# Allegro board 1119394-C028P02-36-DE2-C01_pcb.brd (continued)
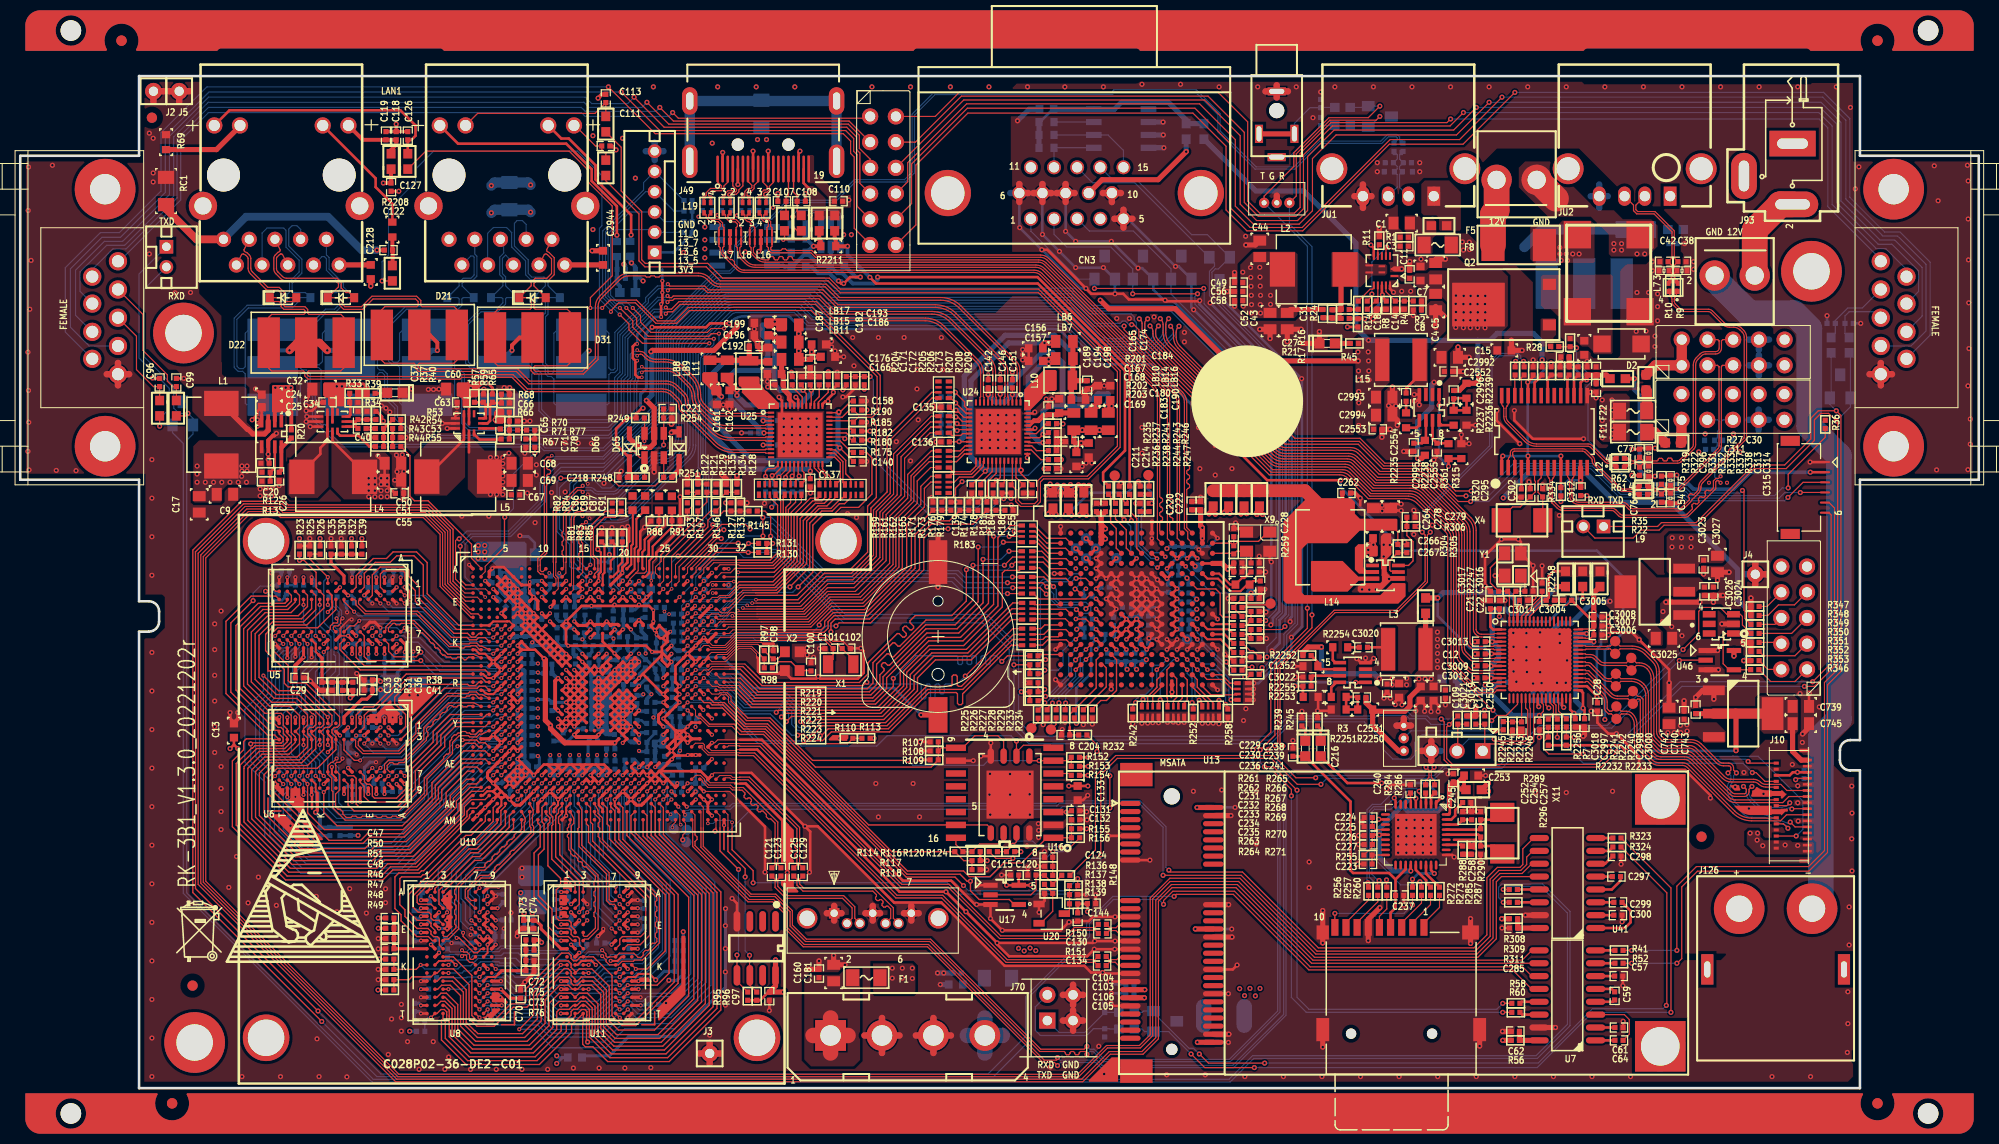
[diagram p0: board, top side]
## Footprints (pads in the part's own frame, mm; a bottom-side part is the same pattern mirrored in y, then rotated) (continued)
CN_SATA_HOST
  round 2.032 hole 1.524: (-10.29,0.5) (2.67,0.5)
  rect 1.041x1.041 hole 0.737: 1(0,0)
  round 1.041 hole 0.737: 2(-1.27,1) 3(-2.54,1) 4(-3.81,0) 5(-5.08,1) 6(-6.35,1) 7(-7.62,0)
CON1X2PD2
  rect 1.35x1.35 hole 0.85: 1(0,0)
  round 1.35 hole 0.85: 2(2,0)
CON1X3P_2_54MM
  rect 1.524x1.524 hole 1.016: 1(-2.54,0)
  round 1.524 hole 1.016: 2(0,0) 3(2.54,0)
CON1X3PD1_25
  round 1.016 hole 0.508: 1(0,0) 2(1.25,0) 3(2.5,0)
CON1X6PD2
  rect 1.35x1.35 hole 0.85: 1(0,0)
  round 1.35 hole 0.85: 2(2,0) 3(4,0) 4(6,0) 5(8,0) 6(10,0)
CON2X2P-254MM
  rect 1.6x1.6 hole 0.94: 1(0,0)
  round 1.6 hole 0.94: 2(0,2.54) 3(2.54,0) 4(2.54,2.54)
CON2X5PD254
  round 1.6 hole 1: 1(-5.08,-1.27) 2(-5.08,1.27) 3(-2.54,-1.27) 4(-2.54,1.27) 5(0,-1.27) 6(0,1.27) 7(2.54,-1.27) 8(2.54,1.27) 9(5.08,-1.27) 10(5.08,1.27)
CON2X6
  round 1.6 hole 1: 1(-5.08,-1.27) 2(-5.08,1.27) 3(-2.54,-1.27) 4(-2.54,1.27) 5(0,-1.27) 6(0,1.27) 7(2.54,-1.27) 8(2.54,1.27) 9(5.08,-1.27) 10(5.08,1.27) 11(7.62,-1.27) 12(7.62,1.27)
CON_DIP_PJ2010B
  round 1.5 hole 1.5 unplated: (0,0)
  rect 1.8x0.8 hole 1.5x0.5: 1(2.3,-1.75) 3(2.3,1.75)
  rect 0.8x1.8 hole 0.5x1.5: 2(4.6,0) 6(-1.9,0)
CR1220
  rect 3.52x1.87 smd: 1(7.75,0)
  rect 4.32x1.82 smd: 2(-7.35,0)
CRY_3225
  rect 1.4x1.15 smd: 1(1.1,0.8) 2(-1.1,0.8) 3(-1.1,-0.8) 4(1.1,-0.8)
D-PACK
  rect 1.1x1.3 smd: 1(-2,-7) 3(2,-7)
  rect 4.32x5.21 smd: 2(0,0)
DB15-3RF-A
  round 1.372 hole 1.016: 1(0,0) 2(-2.286,0) 3(-4.572,0) 4(-6.858,0) 5(-9.144,0) 6(1.143,-2.54) 7(-1.143,-2.54) 8(-3.429,-2.54) 9(-5.715,-2.54) 10(-8.001,-2.54) 11(0,-5.08) 12(-2.286,-5.08) 13(-4.572,-5.08) 14(-6.858,-5.08) 15(-9.144,-5.08)
  round 4.572 hole 3.302: 16(-16.789,-2.54) 17(8.204,-2.54)
DSUB9_FEMALE_90
  round 1.8 hole 1.2: 1(-5.58,-8.89) 2(-2.79,-8.89) 3(0,-8.89) 4(2.79,-8.89) 5(5.58,-8.89) 6(-4.06,-6.35) 7(-1.395,-6.35) 8(1.395,-6.35) 9(4.06,-6.35)
  round 6 hole 3: 10(-12.7,-7.62) 11(12.7,-7.62)
FPC6HH17
  rect 1x1.9 smd: (-4.6,0) (4.6,0)
  oval 0.2x1 smd: 1(2.5,-3.43) 2(1.5,-3.43) 3(0.5,-3.43) 4(-0.5,-3.43) 5(-1.5,-3.43) 6(-2.5,-3.43)
FXRH-SM1-GAN-31
  rect 0.254x0.889 smd: 1(0.95,0.1) 3(1.55,0.1) 5(2.15,0.1) 7(2.75,0.1) 9(3.35,0.1) 11(3.95,0.1) 13(4.55,0.1) 15(5.15,0.1) 17(5.75,0.1) 19(6.35,0.1) 21(6.95,0.1) 23(7.55,0.1) 25(8.15,0.1) 27(8.75,0.1) 29(9.35,0.1) 31(9.95,0.1)
  rect 0.3x0.5 smd: 2(1.25,3.165) 4(1.85,3.165) 6(2.45,3.165) 8(3.05,3.165) 10(3.65,3.165) 12(4.25,3.165) 14(4.85,3.165) 16(5.45,3.165) 18(6.05,3.165) 20(6.65,3.165) 22(7.25,3.165) 24(7.85,3.165) 26(8.45,3.165) 28(9.05,3.165) 30(9.65,3.165)
  rect 0.35x1 smd: 32(10.9,0.37) 33(0,0.37)
HSL1008
  rect 0.94x1.905 smd: 1(-1.029,0) 2(1.029,0)
HSOD323A
  rect 1.118x0.508 smd: 1(1.372,0) 2(-1.372,0)
HSX2-0302
  rect 1.016x1.778 smd: 1(-1.25,0) 2(1.25,0)
HSX4-0302B
  rect 1.067x0.965 smd: 1(-0.927,-0.727) 2(0.927,-0.727) 3(0.927,0.727) 4(-0.927,0.727)
ID-BOARD
  round 1.016 smd: 1(0,0)
LB0603
  rect 0.94x0.889 smd: 1(-0.762,0) 2(0.762,0)
LED0603
  rect 1x1 smd: A(0.762,0) C(-0.762,0)
LT8918_QFN64_EPAD
  oval 1x0.2 smd: 1(-3.8,3) 2(-3.8,2.6) 3(-3.8,2.2) 4(-3.8,1.8) 5(-3.8,1.4) 6(-3.8,1) 7(-3.8,0.6) 8(-3.8,0.2) 9(-3.8,-0.2) 10(-3.8,-0.6) 11(-3.8,-1) 12(-3.8,-1.4) 13(-3.8,-1.8) 14(-3.8,-2.2) 15(-3.8,-2.6) 16(-3.8,-3) 33(3.8,-3) 34(3.8,-2.6) 35(3.8,-2.2) 36(3.8,-1.8) 37(3.8,-1.4) 38(3.8,-1) 39(3.8,-0.6) 40(3.8,-0.2) 41(3.8,0.2) 42(3.8,0.6) 43(3.8,1) 44(3.8,1.4) 45(3.8,1.8) 46(3.8,2.2) 47(3.8,2.6) 48(3.8,3)
  oval 0.2x1 smd: 17(-3,-3.8) 18(-2.6,-3.8) 19(-2.2,-3.8) 20(-1.8,-3.8) 21(-1.4,-3.8) 22(-1,-3.8) 23(-0.6,-3.8) 24(-0.2,-3.8) 25(0.2,-3.8) 26(0.6,-3.8) 27(1,-3.8) 28(1.4,-3.8) 29(1.8,-3.8) 30(2.2,-3.8) 31(2.6,-3.8) 32(3,-3.8) 49(3,3.8) 50(2.6,3.8) 51(2.2,3.8) 52(1.8,3.8) 53(1.4,3.8) 54(1,3.8) 55(0.6,3.8) 56(0.2,3.8) 57(-0.2,3.8) 58(-0.6,3.8) 59(-1,3.8) 60(-1.4,3.8) 61(-1.8,3.8) 62(-2.2,3.8) 63(-2.6,3.8) 64(-3,3.8)
  rect 6x6 smd: 65(0,0)
MARK
  round 1.016 smd: 1(0,0)
MINIPCIE-HT
  round 1.6 hole 1.6 unplated: (-12.5,0)
  round 1.118 hole 1.118 unplated: (12.5,0)
  oval 0.508x2.032 smd: 1(-11.8,-4.1) 2(-11.4,4.1) 3(-11,-4.1) 4(-10.6,4.1) 5(-10.2,-4.1) 6(-9.8,4.1) 7(-9.4,-4.1) 8(-9,4.1) 9(-8.6,-4.1) 10(-8.2,4.1) 11(-7.8,-4.1) 12(-7.4,4.1) 13(-7,-4.1) 14(-6.6,4.1) 15(-6.2,-4.1) 16(-5.8,4.1) 17(-2.2,-4.1) 18(-1.8,4.1) 19(-1.4,-4.1) 20(-1,4.1) 21(-0.6,-4.1) 22(-0.2,4.1) 23(0.2,-4.1) 24(0.6,4.1) 25(1,-4.1) 26(1.4,4.1) 27(1.8,-4.1) 28(2.2,4.1) 29(2.6,-4.1) 30(3,4.1) 31(3.4,-4.1) 32(3.8,4.1) 33(4.2,-4.1) 34(4.6,4.1) 35(5,-4.1) 36(5.4,4.1) 37(5.8,-4.1) 38(6.2,4.1) 39(6.6,-4.1) 40(7,4.1) 41(7.4,-4.1) 42(7.8,4.1) 43(8.2,-4.1) 44(8.6,4.1) 45(9,-4.1) 46(9.4,4.1) 47(9.8,-4.1) 48(10.2,4.1) 49(10.6,-4.1) 50(11,4.1) 51(11.4,-4.1) 52(11.8,4.1)
  rect 5x5 hole 3.81: H3(-12.2,48.25) H4(12.2,48.25)
  rect 2.311x3.2 smd: P1(-14.65,-3.5) P2(14.65,-3.5)
MLF48A-040-0606L
  rect 0.203x0.61 smd: 1(-2.2,-2.879) 2(-1.8,-2.879) 3(-1.4,-2.879) 4(-1,-2.879) 5(-0.6,-2.879) 6(-0.2,-2.879) 7(0.2,-2.879) 8(0.6,-2.879) 9(1,-2.879) 10(1.4,-2.879) 11(1.8,-2.879) 12(2.2,-2.879) 25(2.2,2.879) 26(1.8,2.879) 27(1.4,2.879) 28(1,2.879) 29(0.6,2.879) 30(0.2,2.879) 31(-0.2,2.879) 32(-0.6,2.879) 33(-1,2.879) 34(-1.4,2.879) 35(-1.8,2.879) 36(-2.2,2.879)
  rect 0.61x0.203 smd: 13(2.879,-2.2) 14(2.879,-1.8) 15(2.879,-1.4) 16(2.879,-1) 17(2.879,-0.6) 18(2.879,-0.2) 19(2.879,0.2) 20(2.879,0.6) 21(2.879,1) 22(2.879,1.4) 23(2.879,1.8) 24(2.879,2.2) 37(-2.879,2.2) 38(-2.879,1.8) 39(-2.879,1.4) 40(-2.879,1) 41(-2.879,0.6) 42(-2.879,0.2) 43(-2.879,-0.2) 44(-2.879,-0.6) 45(-2.879,-1) 46(-2.879,-1.4) 47(-2.879,-1.8) 48(-2.879,-2.2)
  rect 4.445x4.445 smd: 49(0,0)
MOLEX_47151
  round 1.219 hole 1.219 unplated: (-2.5,2.096) (2.5,2.096)
  oval 0.254x2.667 smd: 1(4.5,4.508) 2(4,4.508) 3(3.5,4.508) 4(3,4.508) 5(2.5,4.508) 6(2,4.508) 7(1.5,4.508) 8(1,4.508) 9(0.5,4.508) 10(0,4.508) 11(-0.5,4.508) 12(-1,4.508) 13(-1.5,4.508) 14(-2,4.508) 15(-2.5,4.508) 16(-3,4.508) 17(-3.5,4.508) 18(-4,4.508) 19(-4.5,4.508)
  oval 1.524x3.302 hole 0.711x2.718: 20(-7.25,3.746) 21(7.25,3.746)
  oval 1.524x2.718 hole 0.711x1.702: 22(-7.25,-2.214) 23(7.25,-2.214)
PWC0103-M-C
  rect 2.54x4.572 hole 1.016x3.048: 1(0,0)
  oval 2.54x5.08 hole 1.016x3.429: 2(-6,0)
  oval 4.572x2.54 hole 3.048x1.016: 3(-3.2,4.8)
QFN12-050-0302A
  rect 0.7x0.25 smd: 1(-0.95,0.5) 2(-0.95,0) 3(-0.95,-0.5) 7(0.95,-0.5) 8(0.95,0) 9(0.95,0.5)
  rect 0.25x0.9 smd: 4(-0.5,-1.35) 5(0,-1.35) 6(0.5,-1.35) 10(0.5,1.35) 11(0,1.35) 12(-0.5,1.35)
  rect 0.4x0.25 smd: 13(0,0)
QFN16-8765
  rect 0.762x0.203 smd: 1(-1.25,0.525) 2(-1.25,-0.175) 8(1.25,-0.525) 9(1.25,0.175)
  rect 0.203x0.762 smd: 3(-0.8,-1.45) 4(-0.4,-1.45) 5(0,-1.45) 6(0.4,-1.45) 7(0.8,-1.45) 10(0.8,1.45) 11(0.4,1.45) 12(0,1.45) 13(-0.4,1.45) 14(-0.8,1.45)
  rect 0.66x0.203 smd: 15(0,0.165) 16(0,-0.435)
QFN36G
  oval 0.889x0.254 smd: 1(-3,2) 2(-3,1.5) 3(-3,1) 4(-3,0.5) 5(-3,0) 6(-3,-0.5) 7(-3,-1) 8(-3,-1.5) 9(-3,-2) 19(3,-2) 20(3,-1.5) 21(3,-1) 22(3,-0.5) 23(3,0) 24(3,0.5) 25(3,1) 26(3,1.5) 27(3,2)
  oval 0.254x0.889 smd: 10(-2,-3) 11(-1.5,-3) 12(-1,-3) 13(-0.5,-3) 14(0,-3) 15(0.5,-3) 16(1,-3) 17(1.5,-3) 18(2,-3) 28(2,3) 29(1.5,3) 30(1,3) 31(0.5,3) 32(0,3) 33(-0.5,3) 34(-1,3) 35(-1.5,3) 36(-2,3)
  rect 4.1x4.1 smd: 37(0,0)
RPAK8-10X25-28V
  rect 0.406x0.635 smd: 1(-0.823,-0.521) 4(0.823,-0.521) 5(0.823,0.521) 8(-0.823,0.521)
  rect 0.254x0.635 smd: 2(-0.249,-0.521) 3(0.249,-0.521) 6(0.249,0.521) 7(-0.249,0.521)
SC0402
  rect 0.508x0.508 smd: 1(-0.406,0) 2(0.406,0)
SC0603
  rect 0.762x0.813 smd: 1(-0.699,0) 2(0.699,0)
SC0805
  rect 0.991x1.27 smd: 1(-0.813,0) 2(0.813,0)
SD1710A
  rect 1.727x1.676 smd: 1(-1.93,0) 2(1.93,0)
SF1206
  rect 1.295x1.651 smd: 1(-1.346,0) 2(1.346,0)
SF1812
  oval 1.524x3.353 smd: 1(-2,0) 2(2,0)
SF6127
  rect 2.286x3.175 smd: 1(-2.54,0) 2(2.54,0)
SIP-1P
  round 1.651 hole 0.914: 1(0,0)
SIP-4P-200
  rect 3.048x3.048 hole 2.032: 1(-7.62,0.127)
  round 3.048 hole 2.032: 2(-2.54,0.127) 3(2.54,0.127) 4(7.62,0.127)
SL4-1210-AAA
  rect 0.533x0.356 smd: 1(-0.513,-0.325) 2(0.513,-0.325) 3(0.513,0.325) 4(-0.513,0.325)
SL0402
  rect 0.483x0.508 smd: 1(-0.394,0) 2(0.394,0)
SL0603
  rect 0.94x0.889 smd: 1(-0.762,0) 2(0.762,0)
SL0805
  rect 0.94x1.27 smd: 1(-0.851,0) 2(0.851,0)
SLP2710P8
  rect 0.2x0.675 smd: 1(-1.1,-0.437) 2(-0.6,-0.437) 3(0.6,-0.437) 4(1.1,-0.437) 5(1.1,0.437) 6(0.6,0.437) 7(-0.6,0.437) 8(-1.1,0.437)
  rect 0.4x0.675 smd: 9(0,-0.437) 10(0,0.437)
SO8
  oval 2.032x0.66 smd: 1(-2.667,1.905) 2(-2.667,0.635) 3(-2.667,-0.635) 4(-2.667,-1.905) 5(2.667,-1.905) 6(2.667,-0.635) 7(2.667,0.635) 8(2.667,1.905)
SOD323-12
  rect 0.787x0.889 smd: 1(-1.308,0) 2(1.308,0)
SOP8
  rect 1.55x0.6 smd: 1(-2.7,1.905) 2(-2.7,0.635) 3(-2.7,-0.635) 4(-2.7,-1.905) 5(2.7,-1.905) 6(2.7,-0.635) 7(2.7,0.635) 8(2.7,1.905)
SOP16
  oval 1.905x0.61 smd: 1(-2.54,5.08) 2(-2.54,3.81) 3(-2.54,2.54) 4(-2.54,1.27) 5(-2.54,0) 6(-2.54,-1.27) 7(-2.54,-2.54) 8(-2.54,-3.81) 9(3.048,-3.81) 10(3.048,-2.54) 11(3.048,-1.27) 12(3.048,0) 13(3.048,1.27) 14(3.048,2.54) 15(3.048,3.81) 16(3.048,5.08)
SOP16-50-300A
  rect 0.635x1.981 smd: 1(-4.445,-4.813) 2(-3.175,-4.813) 3(-1.905,-4.813) 4(-0.635,-4.813) 5(0.635,-4.813) 6(1.905,-4.813) 7(3.175,-4.813) 8(4.445,-4.813) 9(4.445,4.813) 10(3.175,4.813) 11(1.905,4.813) 12(0.635,4.813) 13(-0.635,4.813) 14(-1.905,4.813) 15(-3.175,4.813) 16(-4.445,4.813)
SOP28
  rect 0.356x1.524 smd: 1(-4.225,-3.556) 2(-3.575,-3.556) 3(-2.925,-3.556) 4(-2.275,-3.556) 5(-1.625,-3.556) 6(-0.975,-3.556) 7(-0.325,-3.556) 8(0.325,-3.556) 9(0.975,-3.556) 10(1.625,-3.556) 11(2.275,-3.556) 12(2.925,-3.556) 13(3.575,-3.556) 14(4.225,-3.556) 15(4.225,3.556) 16(3.575,3.556) 17(2.925,3.556) 18(2.275,3.556) 19(1.625,3.556) 20(0.975,3.556) 21(0.325,3.556) 22(-0.32,3.556) 23(-0.975,3.556) 24(-1.625,3.556) 25(-2.275,3.556) 26(-2.925,3.556) 27(-3.575,3.556) 28(-4.225,3.556)
SOT23
  rect 1.016x1.27 smd: 1(-1.016,-1.143) 2(1.016,-1.143) 3(0,1.143)
SOT23-5B
  rect 0.508x1.422 smd: 1(-0.953,-1.397) 2(0,-1.397) 3(0.953,-1.397) 4(0.953,1.397) 5(-0.953,1.397)
SOT23-6L
  rect 0.635x1.27 smd: 1(-0.95,-1.2) 2(0,-1.2) 3(0.95,-1.2) 4(0.95,1.2) 5(0,1.2) 6(-0.95,1.2)
SOT23B
  rect 0.66x1.118 smd: 1(-0.95,-1.251) 2(0.95,-1.251) 3(0,1.251)
SOT-223
  rect 2.15x0.95 smd: 1(-2.9,2.3) 2(-2.9,0) 3(-2.9,-2.3)
  rect 2.15x3.25 smd: 4(2.9,0)
SPL0505H
  rect 1.397x4.191 smd: 1(-1.85,0) 2(1.85,0)
SPL0707G
  rect 2.489x3.404 smd: 1(-3.094,0) 2(3.094,0)
SR0402
  rect 0.508x0.508 smd: 1(-0.406,0) 2(0.406,0)
SR0603
  rect 0.711x0.813 smd: 1(-0.737,0) 2(0.737,0)
SR1206
  rect 1.295x1.6 smd: 1(-1.346,0) 2(1.346,0)
TF_CARD-MISOSD
  round 1.016 hole 1.016 unplated: (-4.95,0) (3.05,0)
  rect 0.711x1.651 smd: 1(2.25,10.5) 2(1.15,10.5) 3(0.05,10.5) 4(-1.05,10.5) 5(-2.15,10.5) 6(-3.25,10.5) 7(-4.35,10.5) 8(-5.45,10.5) 12(-6.55,10.5)
  rect 1.27x2.286 smd: 9(-7.75,0.4) 13(7.75,0.4)
  rect 1.219x1.397 smd: 10(-7.75,10)
  rect 1.651x1.397 smd: 11(6.85,10)
TH-CN-254X254P-14N-HR911130C1
  round 3.25 hole 3.25 unplated: (-3.82,-3.81) (7.61,-3.81)
  round 1.5 hole 0.9: 1(-3.82,5.08) 2(-2.55,2.54) 3(-1.28,5.08) 4(-0.01,2.54) 5(1.26,5.08) 6(2.53,2.54) 7(3.8,5.08) 8(5.07,2.54) 9(6.34,5.08) 10(7.61,2.54)
  round 1.6 hole 1.1: 11(-4.73,-8.71) 12(-2.19,-8.71) 13(5.98,-8.71) 14(8.52,-8.71)
  round 2.8 hole 1.7: E1(-5.85,-0.76) E2(9.64,-0.76)
TP24-SMD
  round 0.61 smd: 1(0,0)
TSOT23-8
  rect 0.356x1.27 smd: 1(-0.975,-1.275) 2(-0.325,-1.275) 3(0.325,-1.275) 4(0.975,-1.275) 5(0.975,1.275) 6(0.325,1.275) 7(-0.325,1.275) 8(-0.975,1.275)
unnamed
  round 4.6 hole 3.6: 1(0,0)
unnamed#3
  round 1.016 smd: (-10,-1.5) (-10,-1.5)
  round 2.032 hole 2.032 unplated: (-5,-2.5)
unnamed#4
  round 1.016 smd: (-15,1.5) (-15,1.5)
  round 2.032 hole 2.032 unplated: (-5,2.5)
unnamed#5
  round 2.032 hole 2.032 unplated: (5,-2.5)
  round 1.016 smd: (10,-1.5) (10,-1.5)
unnamed#6
  round 2.032 hole 2.032 unplated: (5,2.5)
  round 1.016 smd: (10,1.5) (10,1.5)
USB4-1415
  rect 1.27x1.905 hole 1.016: 1(0,0)
  oval 1.27x1.905 hole 1.016: 2(2.5,0) 3(4.5,0) 4(7,0)
  round 3.048 hole 2.286: 5(-3.07,-2.71) 6(10.07,-2.71)
VH-2A
  round 3 hole 1.8: 1(-7.92,0) 2(-3.96,0)
WE_SL5_HC
  rect 2.7x2.7 smd: 1(-3.8,3.1) 2(-3.8,-3.1) 3(3.8,-3.1) 4(3.8,3.1)
WSON8-MX25L12835ZN
  oval 0.635x1.524 smd: 1(-1.905,-3.8) 2(-0.635,-3.8) 3(0.635,-3.8) 4(1.905,-3.8) 5(1.905,3.8) 6(0.635,3.8) 7(-0.635,3.8) 8(-1.905,3.8)
  rect 4.648x4.75 smd: 9(0,0)
XT60PW-M
  rect 1.2x3 hole 0.6x1.6: (1,8) (14.5,8)
  round 5 hole 2.6: 1(4.15,14) 2(11.35,14)
XT3225
  rect 1.3x1.1 smd: 1(-1.15,-0.95) 2(1.15,-0.95) 3(1.15,0.95) 4(-1.15,0.95)
ZDRK1
  round 6 hole 3.6: 1(-80.6,36.1) 2(-79.5,-34) 3(80.2,42.2)

## Nets
1V5: C9.1(A) C13.1(A) C17.1(A) C20.1(A) C29.1(A) C36.1(A) C39.1(A) C47.1(A) C70.1(A) C72.1(A) C352.1(A) C365.1(A) C375.1(A) C376.1(A) C383.1(A) C396.1(A) C400.1(A) C401.1(A) C407.1(A) C416.1(A) C417.1(A) C419.1(A) C420.1(A) C421.1(A) C422.1(A) C426.1(A) C429.1(A) C430.1(A) C431.1(A) C433.1(A) C437.1(A) C438.1(A) C440.1(A) C445.1(A) C446.1(A) C447.1(A) C448.1(A) C449.1(A) C450.1(A) C451.1(A) C452.1(A) C453.1(A) C454.1(A) C458.1(A) C460.1(A) C461.1(A) C462.1(A) C464.1(A) C467.1(A) C468.1(A) C469.1(A) C470.1(A) C471.1(A) C472.1(A) C474.1(A) C475.1(A) C476.1(A) C477.1(A) C478.1(A) C479.1(A) C480.1(A) C481.1(A) C482.1(A) C483.1(A) C484.1(A) C485.1(A) C486.1(A) C487.1(A) C488.1(A) C489.1(A) C490.1(A) C491.1(A) C492.1(A) C493.1(A) C494.1(A) C495.1(A) C496.1(A) C497.1(A) C498.1(A) C499.1(A) C500.1(A) C502.1(A) C503.1(A) C504.1(A) L1.2(B) R12.2(B) R19.1(A) R26.1(A) R31.1(A) R32.1(A) R46.1(A) R49.1(A) R50.1(A) R75.1(A) R384.1(A) R403.1(A) R407.1(A) R408.1(A) R409.1(A) R414.1(A) U3.5(OUT) U5.A1(VDDQ1) U5.A8(VDDQ2) U5.B2(VDD1) U5.C1(VDDQ3) U5.C9(VDDQ4) U5.D2(VDDQ5) U5.D9(VDD2) U5.E9(VDDQ6) U5.F1(VDDQ7) U5.G7(VDD3) U5.H2(VDDQ8) U5.H9(VDDQ9) U5.K2(VDD4) U5.K8(VDD5) U5.N1(VDD6) U5.N9(VDD7) U5.R1(VDD8) U5.R9(VDD9) U6.A1(VDDQ1) U6.A8(VDDQ2) U6.B2(VDD1) U6.C1(VDDQ3) U6.C9(VDDQ4) U6.D2(VDDQ5) U6.D9(VDD2) U6.E9(VDDQ6) U6.F1(VDDQ7) U6.G7(VDD3) U6.H2(VDDQ8) U6.H9(VDDQ9) U6.K2(VDD4) U6.K8(VDD5) U6.N1(VDD6) U6.N9(VDD7) U6.R1(VDD8) U6.R9(VDD9) U8.A1(VDDQ1) U8.A8(VDDQ2) U8.B2(VDD1) U8.C1(VDDQ3) U8.C9(VDDQ4) U8.D2(VDDQ5) U8.D9(VDD2) U8.E9(VDDQ6) U8.F1(VDDQ7) U8.G7(VDD3) U8.H2(VDDQ8) U8.H9(VDDQ9) U8.K2(VDD4) U8.K8(VDD5) U8.N1(VDD6) U8.N9(VDD7) U8.R1(VDD8) U8.R9(VDD9) U10.AA7(VDDIO_DDR_6) U10.AB7(VDDIO_DDR_1) U10.AD7(VDDIO_DDR_7) U10.AE7(VDDIO_DDR_8) U10.AF6(VDDIO_DDR_9) U10.AF7(VDDIO_DDR_10) U10.AF8(VDDIO_DDR_11) U10.AF9(VDDIO_DDR_12) U10.AF11(VDDIO_DDR_13) U10.AF12(VDDIO_DDR_14) U10.AF14(VDDIO_DDR_15) U10.AF15(VDDIO_DDR_16) U10.AF17(VDDIO_CK_DDR1) U10.AF18(VDDIO_DDR_17) U10.AG5(VDDIO_DDR_18) U10.AG6(VDDIO_DDR_19) U10.AG7(VDDIO_DDR_20) U10.AH5(VDDIO_DDR_21) U10.AH6(VDDIO_DDR_22) U10.N7(VDDIO_DDR_2) U10.R7(VDDIO_DDR_3) U10.T7(VDDIO_DDR_4) U10.V7(VDDIO_CK_DDR0) U10.W7(VDDIO_DDR_5) U11.A1(VDDQ1) U11.A8(VDDQ2) U11.B2(VDD1) U11.C1(VDDQ3) U11.C9(VDDQ4) U11.D2(VDDQ5) U11.D9(VDD2) U11.E9(VDDQ6) U11.F1(VDDQ7) U11.G7(VDD3) U11.H2(VDDQ8) U11.H9(VDDQ9) U11.K2(VDD4) U11.K8(VDD5) U11.N1(VDD6) U11.N9(VDD7) U11.R1(VDD8) U11.R9(VDD9)
1V8: C739.1 C743.1 C745.1 J10.31 R2232.2 R2233.2 U102.2(VOUT) U102.4(PAD)
1V8_DVI: C262.1(A) C264.1(A) C278.1(A) L14.2(B) LB22.1 LB23.1 LB24.1 LB25.1 R304.2 U38.5(OUT)
3V3: C24.2 C25.2 C31.2(B) C32.1(A) C34.1(A) C43.1(A) C44.1(A) C49.1(A) C52.1(A) C56.1(A) C58.1(A) C60.1(A) C63.1(A) C97.2(B) C114.1(A) C115.1(A) C127.1(A) C132.1(A) C133.1(A) C134.1(A) C144.1(A) C169.1(A) C173.1(A) C180.1(A) C182.1(A) C183.1(A) C186.1(A) C190.1(A) C193.1(A) C266.2 C267.2 C354.1(A) C358.1(A) C360.1(A) C361.1(A) C362.1(A) C364.1(A) C369.1(A) C373.1(A) C381.1(A) C382.1(A) C386.1(A) C390.1(A) C423.1(A) C427.1(A) C443.1(A) C444.1(A) D65.2(A) F23.1 J120.2 J128.1 L2.2(B) LB10.1 LB11.1 LB14.1 LB15.1 LB16.1 LB17.1 LB18.1 LB19.1 LB20.1 LB26.1 LB27.1 LB28.1 LB31.2 LB32.1 LB33.1 LB34.1 LB35.1 LB36.1 LB39.1 LB41.2 LB44.1 LB45.1 LB47.1 LB49.1 LB50.1 LB51.1 R17.1(A) R20.1(A) R33.1(A) R39.1 R40.1(A) R56.1 R57.1(A) R65.1(A) R95.1(A) R96.1(A) R109.1(A) R113.1(A) R116.1(A) R117.1(A) R121.1(A) R124.1(A) R127.1(A) R128.1(A) R129.1(A) R130.1(A) R131.1(A) R151.1(A) R152.1(A) R153.1(A) R154.1(A) R155.1(A) R162.1(A) R165.1(A) R178.1(A) R179.1(A) R180.1(A) R181.2(B) R182.2(B) R184.1(A) R190.1(A) R203.1(A) R206.1(A) R209.1(A) R306.1(A) R311.1 R371.2(B) R372.2(B) R373.2(B) R374.2(B) R376.2(B) R377.2(B) R378.2(B) R379.2(B) R382.1(A) R386.1(A) R389.1(A) R392.1(A) R2257.2 R2258.2 R2259.2 R2260.2 U2.7(VOUT) U3.2(IN) U4.8(VIN) U4.13(EXPAD) U9.8(VIN) U9.13(EXPAD) U10.AB19(DVDDIO_LS) U10.AE22(DVDD33_7) U10.AE23(DVDD33_1) U10.H12(DVDD33_8) U10.H13(DVDD33_9) U10.H23(DVDD33_3) U10.H24(DVDD33_2) U10.J17(DVDD33_10) U10.J25(DVDDIO_RGMII1_1) U10.K7(DVDD33_5) U10.K25(DVDDIO_RGMII1_2) U10.L7(DVDD33_4) U10.M19(DVDD33_VDAC) U10.M25(DVDDIO_RGMII0_1) U10.N25(DVDDIO_RGMII0_2) U10.R21(DVDD_OSC) U10.T25(DVDDIO_EMMC_2) U10.U25(DVDDIO_EMMC_1) U10.V25(DVDD33_6) U12.8(VCC) U16.2(VCC) U17.5(VCC) U18.8(VCC) U24.37(DVDD33_3) U25.37(DVDD33_3) U38.2(IN)
3V3_3G4G: C2986.1(A) C2987.1(A) C2988.1(A) C2989.1(A) C2990.1(A) F23.2 U13.2(3V3VAUX_P2) U13.24(3V3VAUX_P24) U13.39(3V3VAUX_P39) U13.41(3V3VAUX_P41) U13.52(3V3VAUX_P52)
3V3_SDIO: C226.1 C227.1 C240.1 C245.1 C253.1 LB26.2 R255.2 U34.6(VDD33_P6) U34.14(VDD33_P14) U34.22(VDD33_P22) U34.36(VDDA33_P36)
5V0: C2553.1(A) C2993.1(A) C2994.1(A) C2996.1(A) D66.2(A) F3.1 F8.1 F11.1 F22.1 F24.1 L15.2(B) LB1.1 R45.1 R331.1 R2239.1(A) U33.5(VCC)
12V0: C4.1(A) C5.1(A) C7.1(A) C8.1(A) C11.1(A) C15.1(A) C109.1(A) C2552.1(A) C2992.1(A) C3021.1(A) F1.1 Q2.2(D) R2.1(A) R353.2 R2238.1(A) R2252.1(A) U2.1(VIN) U79.2(IN) U80.2(IN)
AVDD33_AC0: C372.1(A) C378.1(A) LB39.2 U10.H20(AVDD33_AC0)
AVDD33_DDRPLL0: C432.1(A) C434.1(A) LB51.2 U10.R12(AVDD_DDRPLL1) U10.W12(AVDD_DDRPLL2)
AVDD33_DDRPLL1: C405.1(A) C424.1(A) LB50.2 U10.AA14(AVDD_DDRPLL3) U10.AA17(AVDD_DDRPLL4)
AVDD33_PLL: C356.1(A) LB34.2 U10.R25(AVDD33_PLL)
AVDD33_RTC: C363.1(A) LB35.2 U10.P25(AVDD33_RTC)
AVDD33_SATA01: C366.1(A) C367.1(A) LB36.2 U10.AA25(AVDD33_SATA1) U10.AB25(AVDD33_SATA0)
AVDD33_SATA23: C355.1(A) C357.1(A) LB33.2 U10.W24(AVDD33_PCIE0) U10.Y24(AVDD33_PCIE1)
AVDD33_USB2: C350.1(A) C359.1(A) LB32.2 U10.AE24(AVDD33_USB2)
AVDD33_USB3: C425.1(A) LB49.2 U10.J14(AVDD33_USB3)
AVDD33_USB32: C415.1(A) LB47.2 U10.J15(AVDD33_USB32)
AVDD33_VDAC: C385.1(A) LB44.2 U10.J18(AVDD33_VDAC)
AVDD33_VDAC_CVBS: C384.1(A) LB41.1 U10.J19(AVDD33_VDAC_CVBS)
AVDD_BAT: BT1.1 C351.1(A) U10.N27(AVDD_BAT)
AVDD_HDMITX: C395.1(A) C406.1(A) LB46.2 U10.M16(AVDD_HDMITX)
AVDD_PLL: C371.1(A) LB40.2 U10.T21(AVDD_PLL)
AVDD_PLL_HDMITX: C397.1(A) LB42.2 U10.M17(AVDD_PLL_HDMITX)
AVDD_SATA01: C370.1(A) C380.1(A) LB43.2 U10.AA21(AVDD_SATA1) U10.AB21(AVDD_SATA0)
AVDD_SATA2: C379.1(A) LB38.2 U10.Y21(AVDD_PCIE1)
AVDD_SATA3: C377.1(A) LB37.2 U10.W21(AVDD_PCIE0)
AVDD_USB3: C418.1(A) LB48.2 U10.M15(AVDD_USB3)
AVDDH_HDMITX: C398.1(A) C399.1(A) LB45.2 U10.J16(AVDDH_HDMITX)
DVDD_CORE: C65.2(B) C67.1(A) C68.1(A) C69.1(A) C387.1(A) C389.1(A) C392.1(A) C393.1(A) C394.1(A) C408.1(A) C409.1(A) C410.1(A) C411.1(A) C412.1(A) C413.1(A) C414.1(A) L5.2 LB37.1 LB38.1 LB40.1 LB42.1 LB43.1 LB46.1 LB48.1 R66.1(A) U9.2(VOUT) U10.M21(DVDD_CORE_1) U10.N19(DVDD_CORE_2) U10.N20(DVDD_CORE_3) U10.N21(DVDD_CORE_4) U10.P18(DVDD_CORE_5) U10.P19(DVDD_CORE_6) U10.P20(DVDD_CORE_19) U10.P21(DVDD_CORE_20) U10.R16(DVDD_CORE_7) U10.R17(DVDD_CORE_8) U10.R18(DVDD_CORE_21) U10.R19(DVDD_CORE_22) U10.R20(DVDD_CORE_0) U10.T16(DVDD_CORE_9) U10.T17(DVDD_CORE_10) U10.T18(DVDD_CORE_23) U10.U16(DVDD_CORE_11) U10.U17(DVDD_CORE_12) U10.V16(DVDD_CORE_13) U10.V17(DVDD_CORE_14) U10.W16(DVDD_CORE_15) U10.W17(DVDD_CORE_16) U10.Y16(DVDD_CORE_17) U10.Y17(DVDD_CORE_18)
DVDD_CPU: C40.2(B) C50.1(A) C51.1(A) C55.1(A) C428.1(A) C435.1(A) C436.1(A) C439.1(A) C441.1(A) C442.1(A) C455.1(A) C456.1(A) C457.1(A) C459.1(A) C463.1(A) C465.1(A) C466.1(A) L4.2 R42.1(A) U4.2(VOUT) U10.B4(DVDD_CPU_1) U10.B5(DVDD_CPU_2) U10.C4(DVDD_CPU_4) U10.C5(DVDD_CPU_5) U10.C6(DVDD_CPU_6) U10.D5(DVDD_CPU_7) U10.D6(DVDD_CPU_8) U10.D7(DVDD_CPU_24) U10.E5(DVDD_CPU_9) U10.E6(DVDD_CPU_10) U10.E7(DVDD_CPU_11) U10.F6(DVDD_CPU_13) U10.F7(DVDD_CPU_14) U10.F8(DVDD_CPU_15) U10.G6(DVDD_CPU_16) U10.G7(DVDD_CPU_17) U10.G8(DVDD_CPU_18) U10.G9(DVDD_CPU_19) U10.H7(DVDD_CPU_20) U10.H8(DVDD_CPU_21) U10.H9(DVDD_CPU_22) U10.H10(DVDD_CPU_25) U10.J7(DVDD_CPU_26) U10.M12(DVDD_CPU_3) U10.M13(DVDD_CPU_12) U10.N12(DVDD_CPU_23) U10.N13(DVDD_CPU_27)
